# Altium PCB 1-quilter-input.PcbDoc (part 3 of 4) (continued)
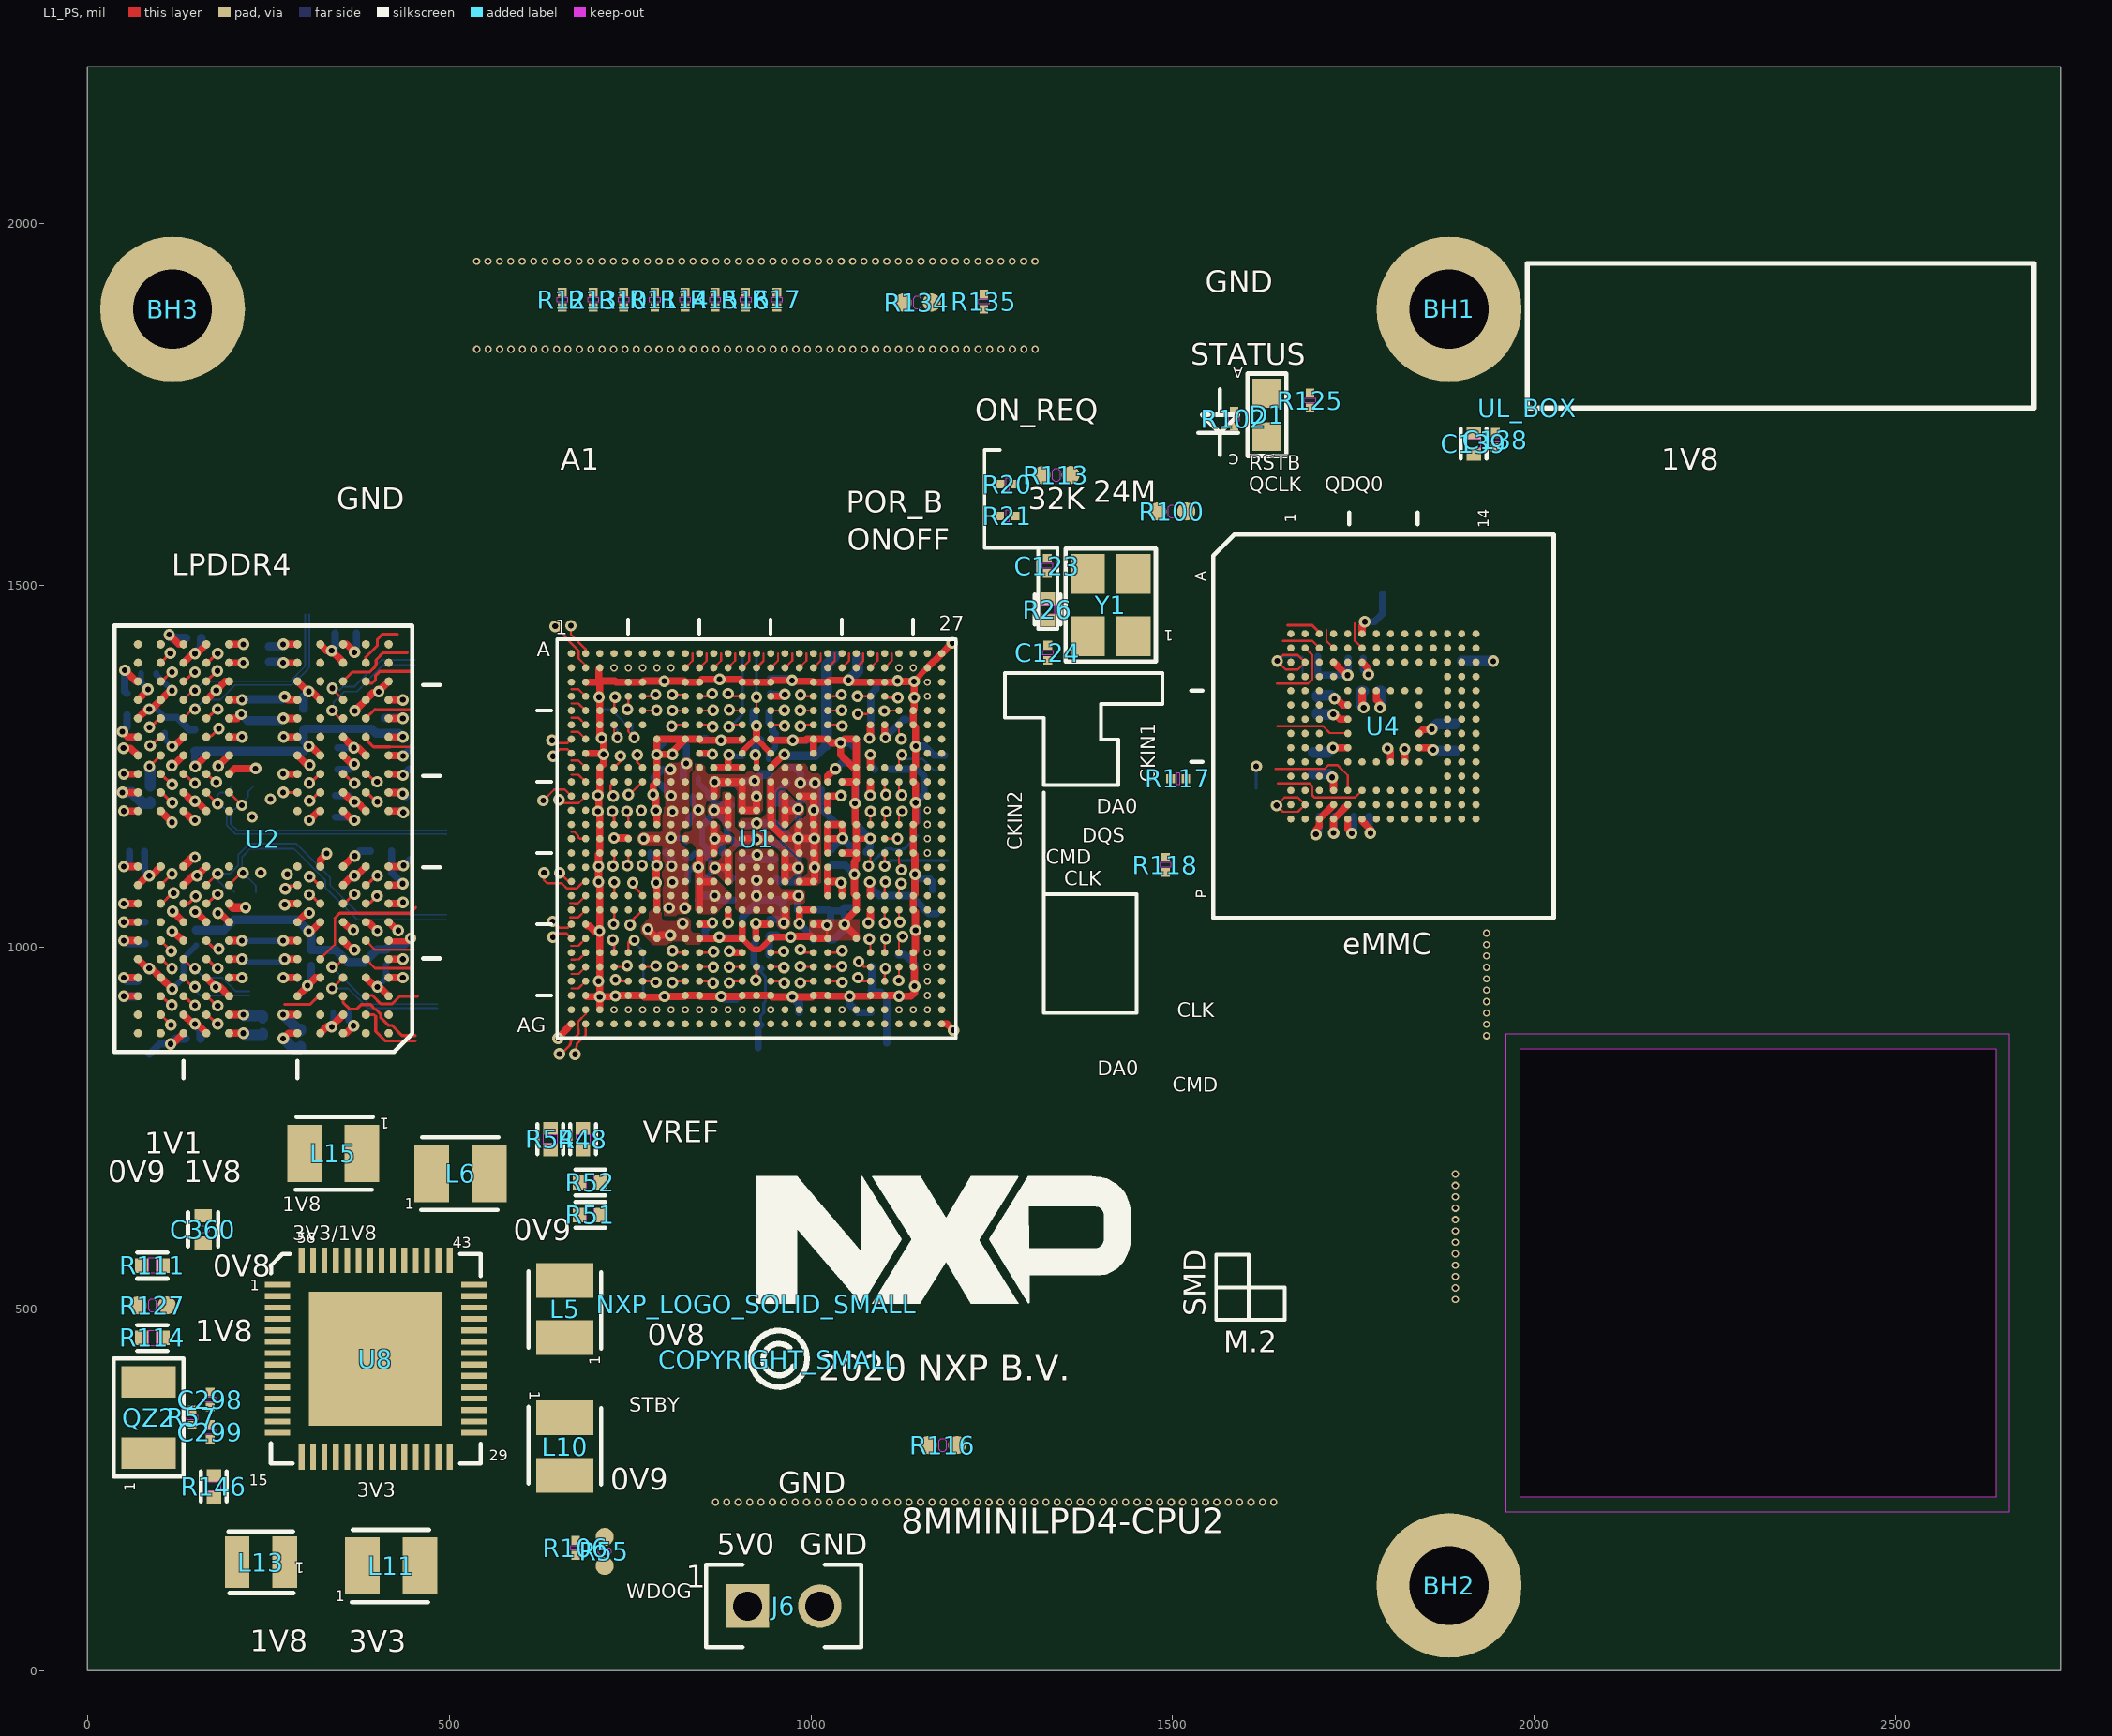
[diagram p0: L1_PS view]
## Nets (pads, with @x,y where several pads share a name; then routed paths per layer and width w, separated by ;. In a path a pad name is that pad's centre, name@x,y a point inside that pad or via, vN(x,y) a via of type N, cw(c..) or ccw(c..) an arc to the next point about the centre after c; other vN are vias at no path point) (continued)
  L8_SS w12: v1(50.41,932.38) C381.2@68.89,932.39 ; v3(113.36,1431.9) 117.99,1427.27 C114.2@136.51,1427.27 ; v3(115.25,866.3) 122.58,873.63 C380.2@135.68,873.63 ; v1(212.92,1321.9) 221.68,1313.14 C110.2@242.89,1313.14 267.79,1313.14 v1(270.89,1316.24) ; C378.2@251.62,1415.48 267.77,1415.48 v1(270.89,1418.6) ; C109.2@298.93,1329.75 298.93,1346.14 v3(306.19,1353.4) ; C384.2@411.64,1316.74 435.74,1316.74 v1(436.24,1316.24) ; v3(436.06,1212.06) v3@439.71,1208.41 ; v1(974.35,931.51) 983.76,922.1 C400.2@983.76,911.1
  L8_SS w15: v1(48.68,1213.88) 61.91,1213.88 77.39,1198.4 86.89,1198.4 R4.1@86.89,1201.39 ; v1(1052.24,1368.92) 1064.76,1381.44 C405.2@1064.76,1399.68 ; C130.2@1694.3,1268.95 1714.55,1268.95 v1(1721.33,1275.73) ; C128.2@1699.59,1324.38 1699.59,1321.39 1721.56,1321.39 v1(1721.96,1321.79) ; C129.2@1784.67,1354.01 1787.66,1354.01 1787.66,1332.34 v1(1786.48,1331.16) ; v1(1858.22,1301.57) 1865.35,1308.7 C127.2@1890,1308.7
  other v1: 822.89,1032.9
  other v2: 931.06,233.27 946.8,233.27 962.55,233.27 978.3,233.27 994.05,233.27 1009.8,233.27 1230.27,233.27 1324.76,233.27 1419.24,233.27 1513.73,233.27 1608.22,233.27 1890.63,544.88 1890.63,623.62 1933.49,909.2 1933.49,987.94 538.31,1826.55 585.56,1826.55 632.8,1826.55 680.05,1826.55 727.29,1826.55 774.53,1826.55 821.78,1826.55 869.02,1826.55 916.27,1826.55 963.51,1826.55 1010.75,1826.55 1058,1826.55 1105.24,1826.55 1152.49,1826.55 1215.48,1826.55 1294.22,1826.55 585.31,1947.75 679.8,1947.75 774.28,1947.75 868.77,1947.75 1057.75,1947.75 1152.24,1947.75 1246.72,1947.75
GPIO1_IO01: J5.64 U1.AF14
  other v2: 1356.25,233.27 924.89,913.68
GPIO1_IO05: J5.62 U1.AF12
  other v2: 1340.5,233.27 885.52,913.68
GPIO1_IO06: J5.58 U1.AG11
  other v2: 1309.01,233.27
GPIO1_IO07: J5.56 U1.AF11
  other v2: 1293.26,233.27 865.83,913.68
GPIO1_IO08: J5.54 U1.AG10
  other v2: 1277.51,233.27
GPIO1_IO09: J5.52 U1.AF10
  other v2: 1261.76,233.27 846.15,913.68
GPIO1_IO10: J5.50 U1.AD10 | length 19.7
  L1_PS w3: U1.AD10@846.15,953.05 862.35,953.05 v1(864.82,950.58)
  other v2: 1246.02,233.27
GPIO1_IO11: J5.46 U1.AC10 | length 19.4
  L1_PS w3: U1.AC10@846.15,972.74 864.88,972.74 v1(865.33,972.28)
  other v2: 1214.52,233.27
GPIO1_IO12: J5.44 U1.AB10 | length 20
  L1_PS w3: U1.AB10@846.15,992.42 863.94,992.42 v1(865.5,993.98)
  other v2: 1198.77,233.27
GPIO1_IO13: J5.42 U1.AD9 | length 18.7
  L1_PS w3: v1(808.5,951.18) 810.36,953.05 U1.AD9@826.47,953.05
  other v2: 1183.02,233.27
GPIO1_IO14: J5.40 U1.AC9 | length 18.4
  L1_PS w3: v1(808.37,973.5) 809.13,972.74 U1.AC9@826.47,972.74
  other v2: 1167.28,233.27
GPIO1_IO15: J5.38 U1.AB9 | length 18.9
  L1_PS w3: v1(808.77,995.22) 811.57,992.42 U1.AB9@826.47,992.42
  other v2: 1151.53,233.27
I2C1_SCL: R10.2 R48.1 U1.E9 | length 17.9
  L1_PS w3: v1(808.62,1327.06) U1.E9@826.47,1327.06
I2C1_SDA: R11.2 R54.1 U1.F9 | length 19.6
  L1_PS w3: v1(807.68,1305.38) 809.68,1307.38 U1.F9@826.47,1307.38
I2C2_SCL: J4.22 R12.2 U1.D10 | length 19
  L1_PS w3: U1.D10@846.15,1346.75 859.98,1346.75 v1(863.67,1350.44)
  other v2: 695.54,1947.75
I2C2_SDA: J4.24 R13.2 U1.D9 | length 19.1
  L1_PS w3: v1(808.41,1349.15) 824.07,1349.15 U1.D9@826.47,1346.75
  other v2: 711.29,1947.75
I2C3_SCL: J4.26 R14.2 U1.E10 | length 18.9
  L1_PS w3: U1.E10@846.15,1327.06 864.64,1327.06 v1(864.93,1327.36)
  other v2: 727.04,1947.75
I2C3_SDA: J4.28 R15.2 U1.F10 | length 19.3
  L1_PS w3: U1.F10@846.15,1307.38 861.61,1307.38 v1(864.35,1304.65)
  other v2: 742.79,1947.75
I2C4_SCL: J4.30 R16.2 U1.D13 | length 21
  L1_PS w3: v1(885.75,1350.42) 889.42,1346.75 U1.D13@905.21,1346.75
  other v2: 758.54,1947.75
I2C4_SDA: J4.34 R17.2 U1.E13 | length 18.3
  L1_PS w3: v1(887.28,1327.98) 888.2,1327.06 U1.E13@905.21,1327.06
  other v2: 790.03,1947.75
JTAG_MOD: R23.1 U1.D27
JTAG_NTRST: J4.60 U1.C27
  other v2: 994.76,1947.75
JTAG_TCK: J4.62 R18.1 U1.F26
  other v2: 1010.5,1947.75
JTAG_TDI: J4.54 U1.E27
  other v2: 947.51,1947.75
JTAG_TDO: J4.52 U1.E26
  other v2: 931.76,1947.75
JTAG_TMS: J4.58 U1.F27
  other v2: 979.01,1947.75
LX1: L5.1 U8.36 U8.37
LX2: L6.1 U8.45 U8.46
LX3: L10.1 U8.31 U8.32
LX4: L11.1 U8.19 U8.20
LX5: L13.1 U8.15
M.2_32K_OUT: J5.37 R116.2
NC1: U1.J18
NetC245_1: C245.1 U1.R22 | length 104.8
  L1_PS w3: v1(1079.64,1112.35) 1082.37,1115.08 U1.R22@1082.37,1130.22
  L8_SS w4.1: v1(1079.64,1112.35) 1103.14,1135.85 1112.66,1135.85 1113.66,1134.85 1126.14,1134.85 1127.2,1135.91 1129.39,1135.91 C245.1@1147.38,1153.9
NetC268_1: C268.1 U1.D15 | length 40.7
  L1_PS w10: U1.D15@944.57,1346.75 961.38,1346.75 v1(963.95,1349.32)
  L8_SS w10: C268.1@944.2,1350.57 945.45,1349.32 v1(963.95,1349.32)
NetD1_A: D1.A R125.2
NetD1_C: D1.C Q1.3
NetL15_1: L15.1 U8.50 U8.51
NetR7_2: R7.2 U1.P2 | length 25.1
  L1_PS w3: 668.98,1159.74 673.06,1159.74 678.82,1153.98 678.82,1151.65 680.58,1149.89 U1.P2@688.67,1149.9
NetR28_1: R28.1 U1.D19 | length 19.8
  L1_PS w3: U1.D19@1023.31,1346.75 1039.36,1346.75 1041.72,1349.11 v1(1042.09,1349.11)
NetR29_1: R29.1 U1.E19 | length 19.4
  L1_PS w3: U1.E19@1023.31,1327.06 1042.27,1327.06 v1(1042.59,1327.38)
NetR30_1: R30.1 U1.E22 | length 19.5
  L1_PS w3: v1(1064.78,1322.36) 1077.67,1322.36 U1.E22@1082.37,1327.06
NetR48_2: R48.2 U8.41
NetR51_2: R51.2 U8.39
NetR52_2: R52.2 U8.40
NetR54_2: R54.2 U8.42
NetR55_2: R55.2 R106.2 U8.28
NetR108_1: R108.1 U1.F22 | length 93.3
  L1_PS w10: v1(1080.89,1288.9) 1082.37,1290.38 U1.F22@1082.37,1307.38
  L8_SS w10: v1(1080.89,1288.9) 1082.89,1290.9 1082.89,1349.4 1089.89,1356.4 R108.1@1089.89,1359.39
NetR109_1: R109.1 U1.F23 | length 57.4
  L1_PS w10: U1.F23@1102.05,1307.38 1102.05,1290.4 v1(1102.9,1289.55)
  L8_SS w10: v1(1102.9,1289.55) 1102.9,1289.93 1127.87,1314.9 R109.1@1131.38,1314.9
NetR111_1: R111.1 U8.6
NetR114_1: R114.1 U8.9
NetR127_2: R127.2 U8.8
NetR146_2: R146.2 U8.12
NetTP15_1: U1.N2
NetTP18_1: U4.K5
NetTP54_1: U8.27
NetTP55_1: U8.26
NetTP56_1: U8.25
NetTP57_1: U8.24
NVCC_DRAM_1V1: C88.1 C89.1 C90.1 C91.1 C92.1 C93.1 C94.1 C95.1 C110.1 C111.1 C112.1 C113.1 C114.1 C115.1 C117.1 C118.1 C119.1 C324.1 C373.1 C374.1 C375.1 C376.1 C378.1 C379.1 C380.1 C381.1 C382.1 L15.2 R5.1 R6.1 U1.K8 U1.K9 U1.L9 U1.M9 U1.N8 U1.N9 U1.P7 U1.R8 U1.R9 U1.T9 U1.U9 U1.V8 U1.V9 U2.A4 U2.A9 U2.AA3 U2.AA5 U2.AA8 U2.AA10 U2.AB4 U2.AB9 U2.B3 U2.B5 U2.B8 U2.B10 U2.D1 U2.D5 U2.D8 U2.D12 U2.F3 U2.F5 U2.F8 U2.F10 U2.G2 U2.H1 U2.H5 U2.H8 U2.H12 U2.K1 U2.K3 U2.K10 U2.K12 U2.N1 U2.N3 U2.N10 U2.N12 U2.R1 U2.R5 U2.R8 U2.R12 U2.T2 U2.U3 U2.U5 U2.U8 U2.U10 U2.W1 U2.W5 U2.W8 U2.W12 U8.52 | length 1630.7
  L1_PS w10: v1(50.41,957.97) U2.D12@70.1,957.97 ; v1(50.41,1060.33) U2.H12@70.1,1060.33 ; v1(50.41,1111.51) U2.K12@70.1,1111.51 ; v1(50.41,1188.29) U2.N12@70.1,1188.29 ; v1(50.41,1239.47) U2.R12@70.1,1239.47 ; U2.W12@70.1,1341.83 84.04,1355.77 v1(84.04,1356.43) ; v1(117.34,1021.95) U2.F10@133.09,1009.15 ; v1(117.34,1277.85) 120.29,1277.85 U2.U10@133.09,1290.65 ; U2.B10@133.09,906.79 145.89,893.99 v1(148.84,893.99) 151.8,893.99 U2.A9@164.59,881.2 ; U2.N10@133.09,1188.29 145.89,1175.49 v1(148.84,1175.49) ; U2.AA10@133.09,1393.01 145.89,1405.81 v1(148.84,1405.81) 151.8,1405.81 U2.AB9@164.59,1418.6 ; U2.B8@196.09,906.79 v1(215.77,906.79) ; U2.D8@196.09,957.97 v1(213.84,957.97) ; U2.F8@196.09,1009.15 v1(213.84,1009.15) ; U2.R8@196.09,1239.47 203.52,1246.9 v1(232.65,1246.9) ; U2.U8@196.09,1290.65 v1(213.84,1290.65) ; U2.W8@196.09,1341.83 213.64,1341.83 v1(213.84,1342.03) ; U2.AA8@196.09,1393.01 v1(215.77,1393.01) ; v1(270.89,906.79) U2.B5@290.57,906.79 ; v1(270.89,957.97) U2.D5@290.57,957.97 ; v1(270.89,1009.15) U2.F5@290.57,1009.15 ; v1(270.89,1239.47) U2.R5@290.57,1239.47 ; v1(270.89,1393.01) U2.AA5@290.57,1393.01 ; v1(271.39,1290.65) U2.U5@290.57,1290.65 ; v1(272.81,1346) 276.98,1341.83 U2.W5@290.57,1341.83 ; v1(272.88,1058.86) 274.35,1060.33 U2.H5@290.57,1060.33 ; U2.A4@322.07,881.2 330.91,890.04 v1(337.94,890.04) 337.94,891.16 U2.B3@353.57,906.79 ; U2.AB4@322.07,1418.6 330.76,1409.91 v1(337.78,1409.91) 353.57,1394.12 U2.AA3@353.57,1393.01 ; U2.F3@353.57,1009.15 366.36,996.36 v1(369.31,996.36) ; U2.K3@353.57,1111.51 366.37,1124.31 368.06,1124.31 v1(369.83,1126.08) ; U2.N3@353.57,1188.29 366.37,1175.49 v1(369.31,1175.49) ; U2.U3@353.57,1290.65 v1(368.56,1275.66) 374.46,1275.66 U2.T2@385.06,1265.06 ; U2.G2@385.06,1034.74 388.61,1034.74 v1(400.81,1022.54) ; U2.D1@416.56,957.97 v1(436.24,957.97) ; U2.H1@416.56,1060.33 434.64,1060.33 v1(436.35,1062.04) ; U2.K1@416.56,1111.51 434.71,1111.51 436.14,1112.94 v1(437.04,1112.94) ; U2.N1@416.56,1188.29 434.71,1188.29 v1(436.83,1186.17) ; U2.R1@416.56,1239.47 434.64,1239.47 v1(436.35,1237.76) ; U2.W1@416.56,1341.83 v1(436.24,1341.83) ; v1(768.89,1149.9) U1.P7@787.09,1149.9
  L1_PS w12: U2.K10@133.09,1111.51 145.89,1124.31 v1(148.84,1124.31) ; U2.H8@196.09,1060.33 201.52,1054.9 v1(218.89,1054.9)
  L8_SS w8: C373.1@74.38,1378.9 74.38,1366.09 v1(84.04,1356.43) ; C375.1@107.2,1296.78 107.2,1287.99 v1(117.34,1277.85) ; v1(213.84,1009.15) 214.33,1008.66 C115.1@241.39,1008.66 270.4,1008.66 v1(270.89,1009.15) ; v1(337.94,890.04) 340.06,892.16 C379.1@340.06,909.56 ; v1(436.24,957.97) v1@438.94,960.67 ; v1(806.78,1151.05) 821.12,1151.05 C90.1@827.25,1144.92
  L8_SS w10: v1(50.41,1111.51) 58.45,1119.55 C374.1@58.45,1132.26 ; v1(337.78,1409.91) 342.47,1414.6 C112.1@342.47,1434.05 ; C111.1@343,1179.89 364.91,1179.89 v1(369.31,1175.49) ; C118.1@346.54,1275.44 368.34,1275.44 v1(368.56,1275.66) ; v1(369.83,1126.08) 376.65,1132.9 C117.1@391.13,1132.9 ; v1(436.35,1237.76) 444.73,1246.14 ; v1(437.04,1112.94) 445.07,1120.97 ; C93.1@799.22,1131.11 806.78,1123.55 806.78,1113.14 v1(807.54,1112.38) ; v1(805.89,1245.9) 794.91,1245.9 C89.1@783.01,1234 801.89,1215.12 801.89,1214.03 v1(806.78,1209.14) ; C94.1@820,1285 827.89,1277.11 v1(827.89,1253.9) 823.38,1249.39 C95.1@823.38,1233.61
  L8_SS w12: v1(50.41,957.97) 54.97,953.41 C381.1@68.89,953.41 ; v1(148.84,893.99) 156.7,886.13 C380.1@156.7,873.63 ; v1(148.84,1405.81) 157.53,1414.5 C114.1@157.53,1427.27 ; v1(213.84,1342.03) 214.47,1342.66 C110.1@242.89,1342.66 269.47,1342.66 v1(272.81,1346) ; C378.1@251.62,1394.46 269.44,1394.46 v1(270.89,1393.01) ; v1(436.83,1186.17) v1@438.05,1187.39
  L8_SS w15: v1(215.77,906.79) 217.33,905.23 242.62,905.23 R6.1@242.62,902.24 ; v1(270.89,906.79) 290.53,887.15 294.98,887.15 R5.1@294.98,884.16
  other v1: 804.18,1054.36 825.89,1053.9 808.62,1089.9 808.72,1187.34
NVCC_ENET: C2.1 C392.1 J7.19 U1.W22 | length 142
  L1_PS w10: v1(1079.41,1033.53) 1082.37,1036.49 U1.W22@1082.37,1051.48
  L8_SS w10: 1084.09,973.8 1084.09,940.26 C2.1@1083.09,939.26 1084.1,938.25 1096.4,938.25 1104.85,929.8 1104.85,867.57
NVCC_SD2: C17.1 C365.1 R119.1 R120.1 R133.1 U1.V22 U8.55 | length 133.3
  L1_PS w10: v1(1081.23,1090.09) 1082.37,1088.95 U1.V22@1082.37,1071.16
  L8_SS w10: v1(1081.23,1090.09) 1081.23,1084.16 1094.14,1071.25 1138.34,1071.25 1147.13,1062.46 1163.11,1046.48 R120.1@1173.57,1046.48
NVCC_SNVS_1V8: C333.1 C391.1 R20.1 R21.1 R102.1 U1.J22 U8.3 | length 40.7
  L1_PS w10: v1(1082.17,1266.18) 1082.37,1265.98 U1.J22@1082.37,1248.32
  L8_SS w10: v1(1082.17,1266.18) 1082.17,1252.28 C391.1@1088.43,1246.02
ONOFF: J4.46 R21.2 U1.A25
  other v2: 884.52,1947.75
PCIE_CLK_N: J4.75 U1.A21
  other v2: 1120.99,1826.55
PCIE_CLK_P: J4.77 U1.B21 | length 23.7
  L1_PS w3: U1.B21@1062.69,1386.12 1072.39,1395.82 1072.39,1405.81
  other v2: 1136.74,1826.55
PCIE_RX_N: J4.63 U1.A19
  other v2: 1026.5,1826.55
PCIE_RX_P: J4.65 U1.B19 | length 23.7
  L1_PS w3: U1.B19@1023.31,1386.12 1033.02,1395.82 1033.02,1405.81
  other v2: 1042.25,1826.55
PCIE_TX_N: J4.69 U1.A20
  other v2: 1073.75,1826.55
PCIE_TX_P: J4.71 U1.B20 | length 23.7
  L1_PS w3: U1.B20@1043,1386.12 1052.71,1395.82 1052.71,1405.81
  other v2: 1089.49,1826.55
PDM_CLK: J5.65 U1.AC15 | length 18.6
  L1_PS w3: U1.AC15@944.57,972.74 962.18,972.74 v1(962.88,972.04)
PDM_DATA0: J5.67 U1.AD18 | length 19.2
  L1_PS w3: v1(985.36,950.88) 987.53,953.05 U1.AD18@1003.63,953.05
PDM_DATA1: J5.69 U1.AC14 | length 18.5
  L1_PS w4: v1@924.89,954.26 U1.AC14@924.89,972.74
  other v1: 924,954.26
PDM_DATA2: J5.71 U1.AD13 | length 18.8
  L1_PS w3: v1(887.32,950.87) 889.5,953.05 U1.AD13@905.21,953.05
PDM_DATA3: J5.73 U1.AC13 | length 17.9
  L1_PS w3: v1(887.35,972.58) 887.5,972.74 U1.AC13@905.21,972.74
PMIC_NINT: U1.AF13 U8.13
  other v2: 905.21,913.68
PMIC_ON_REQ: J4.48 R51.1 U1.A24
  other v2: 900.27,1947.75
PMIC_STBY_REQ: R52.1 U1.E24 | length 20.4
  L1_PS w3: v1(1101.58,1326.51) 1102.13,1327.06 U1.E24@1121.74,1327.06
POR_B: J4.50 R20.2 R114.2 U1.B24
  other v2: 1121.74,1386.12 916.02,1947.75
QSPIA_DATA0: U1.P23 U5.5 | length 17.9
  L1_PS w3: U1.P23@1102.05,1149.9 v1(1119.9,1149.9)
QSPIA_DATA1: U1.K24 U5.2 | length 20
  L1_PS w3: U1.K24@1121.74,1228.64 1121.74,1213.9 v1(1125.48,1210.16)
QSPIA_DATA2: U1.K23 U5.3 | length 18.5
  L1_PS w3: U1.K23@1102.05,1228.64 1102.05,1212.48 v1(1103.67,1210.86)
QSPIA_DATA3: U1.N23 U5.7 | length 18.6
  L1_PS w3: U1.N23@1102.05,1169.58 1102.05,1185.11 v1(1104.24,1187.3)
QSPIA_NSS0: R37.2 U1.N24 U5.1 | length 20
  L1_PS w3: U1.N24@1121.74,1169.58 1121.74,1183.63 v1(1125.97,1187.86)
QSPIA_SCLK: U1.N22 U5.6 | length 17.9
  L1_PS w3: U1.N22@1082.37,1169.58 v1(1082.37,1187.47)
R_SNSP1: R142.2 R143.1 U8.38
R_SNSP2: R140.2 R141.1 U8.44
R_SNSP3_CFG: R144.2 R145.1 U8.30
REF_CLK_32K: R116.1 U1.AG14
RTC_RESET_B: R102.2 R111.2 U1.F24 | length 20.8
  L1_PS w3: U1.F24@1121.74,1307.38 1121.74,1291 v1(1124.88,1287.85)
SAI1_MCLK: J5.98 U1.AB18 | length 19.8
  L1_PS w3: v1(985.65,996.85) 990.08,992.42 U1.AB18@1003.63,992.42
  other v2: 1623.97,233.27
SAI1_RXC: J5.76 U1.AF16
  other v2: 1450.74,233.27
SAI1_RXD0: J5.78 U1.AG15
  other v2: 1466.49,233.27
SAI1_RXD1: J5.80 R76.1 U1.AF15
  other v2: 1482.24,233.27 944.57,913.68
SAI1_RXD2: J5.82 R75.1 U1.AG17
  other v2: 1497.98,233.27
SAI1_RXD3: J5.86 U1.AF17
  other v2: 1529.48,233.27
SAI1_RXD4: J5.88 U1.AG18
  other v2: 1545.23,233.27
SAI1_RXD5: J5.90 R72.1 U1.AF18
  other v2: 1560.98,233.27
SAI1_RXD6: J5.92 R71.1 U1.AG19
  other v2: 1576.72,233.27
SAI1_RXD7: J5.94 U1.AF19
  other v2: 1592.47,233.27
SAI1_RXFS: J5.74 U1.AG16
  other v2: 1434.99,233.27
SAI1_TXC: J5.81 U1.AC18 | length 18.6
  L1_PS w3: v1(985.28,973.38) 985.92,972.74 U1.AC18@1003.63,972.74
SAI1_TXD0: J5.83 U1.AG20
SAI1_TXD1: J5.85 U1.AF20
  other v2: 1043,913.68
SAI1_TXD2: J5.87 U1.AG21
SAI1_TXD3: J5.91 R97.1 U1.AF21
SAI1_TXD4: J5.93 U1.AG22
SAI1_TXD5: J5.95 R95.1 U1.AF22
SAI1_TXD6: J5.97 U1.AG23
SAI1_TXD7: J5.99 U1.AF23
SAI1_TXFS: J5.100 U1.AB19 | length 20.8
  L1_PS w3: U1.AB19@1023.31,992.42 1040.32,992.42 v1(1043.02,995.12)
  other v2: 1639.72,233.27
SAI2_MCLK: J5.66 U1.AD19 | length 20.5
  L1_PS w3: U1.AD19@1023.31,953.05 1039.04,953.05 1040.57,951.52 v1(1043.2,951.52)
  other v2: 1372,233.27
SAI2_RXC: J5.79 U1.AB22 | length 19.4
  L1_PS w3: v1(1080.86,1011.21) 1082.37,1009.7 U1.AB22@1082.37,992.42
SAI2_RXD: J8.23 U1.AC24 | length 18.8
  L1_PS w3: v1(1121.54,954.02) 1121.74,954.22 U1.AC24@1121.74,972.74
  other v2: 1890.63,513.39
SAI2_RXFS: J5.68 U1.AC19 | length 19.7
  L1_PS w3: U1.AC19@1023.31,972.74 1042.01,972.74 v1(1042.69,973.42)
  other v2: 1387.75,233.27
SAI2_TXC: J8.21 U1.AD22 | length 19.2
  L1_PS w3: v1(1065.2,957.93) 1070.08,953.05 U1.AD22@1082.37,953.05
  other v2: 1890.63,529.13
SAI2_TXD: J8.17 U1.AC22 | length 19.3
  L1_PS w3: v1(1066.04,979.95) 1073.25,972.74 U1.AC22@1082.37,972.74
  other v2: 1890.63,560.63
SAI2_TXFS: J8.15 U1.AD23 | length 17.8
  L1_PS w3: U1.AD23@1102.05,953.05 1102.05,966.16 1102.89,967 v1(1102.89,970.5)
  other v2: 1890.63,576.38
SAI3_MCLK: J5.41 U1.AD6 | length 18.9
  L1_PS w3: U1.AD6@767.41,953.05 782.06,953.05 783.59,951.52 v1(785.71,951.52)
SAI3_RXC: J5.53 U1.AG7
SAI3_RXD: J5.55 U1.AF7
  other v2: 787.09,913.68
SAI3_RXFS: J5.51 U1.AG8
SAI3_TXC: J5.45 U1.AG6
SAI3_TXD: J5.49 U1.AF6
  other v2: 767.41,913.68
SAI3_TXFS: J5.43 U1.AC6 | length 19.1
  L1_PS w3: U1.AC6@767.41,972.74 784.56,972.74 v1(785.96,974.14)
SAI5_MCLK: J5.77 U1.AD15 | length 19.8
  L1_PS w3: U1.AD15@944.57,953.05 960.29,953.05 963.01,950.33 v1(963.23,950.33)
SAI5_RXFS: J5.70 U1.AB15 | length 18.6
  L1_PS w3: U1.AB15@944.57,992.42 960.78,992.42 v1@962.08,993.72
  L1_PS w3.3: v1@962.08,993.72 v1(962.49,994.13)
  other v2: 1403.5,233.27
SD1_CLK: J8.22 U1.V26
SD1_CMD: J8.18 U1.V27
SD1_DATA0: J8.8 U1.Y27
SD1_DATA1: J8.12 U1.Y26
SD1_DATA2: J8.14 U1.T27
SD1_DATA3: J8.16 U1.T26
SD1_STROBE: J4.70 U1.R24 | length 19.1
  L1_PS w3: U1.R24@1121.74,1130.22 1121.74,1115.99 v1@1125.18,1112.55
  other v1: 1125.18,1106.95
  other v2: 1073.5,1947.75
SD2_CLK: J4.76 U1.W23 | length 18.2
  L1_PS w3: v1@1102.05,1033.32 U1.W23@1102.05,1051.48
  other v1: 1102.06,1033.31
  other v2: 1120.74,1947.75
SD2_CMD: J4.78 R120.2 U1.W24 | length 17.5
  L1_PS w3: U1.W24@1121.74,1051.48 1121.74,1035.81 v1(1123.03,1034.52)
  other v2: 1136.49,1947.75
SD2_DATA0: J4.84 R119.2 U1.AB23 | length 19.9
  L1_PS w3: U1.AB23@1102.05,992.42 1102.05,1010.06 v1(1103.65,1011.66)
  other v2: 1183.73,1947.75
SD2_DATA1: J4.82 U1.AB24 | length 24.3
  L1_PS w3: U1.AB24@1121.74,992.42 1121.74,1009.72 v1(1126.66,1014.64)
  other v2: 1167.98,1947.75
SD2_DATA2: J4.72 U1.V24 | length 19.8
  L1_PS w3: U1.V24@1121.74,1071.16 1121.74,1086.83 v1@1124.69,1089.78
  other v1: 1124.64,1087.96
  other v2: 1089.24,1947.75
SD2_DATA3: J4.74 U1.V23 | length 19.4
  L1_PS w3: U1.V23@1102.05,1071.16 1102.05,1089.3 v1(1102.93,1090.18)
  other v2: 1104.99,1947.75
SD2_NCD: J4.88 U1.AA26
  other v2: 1215.23,1947.75
SD2_NRST: J4.90 R133.2 U1.AB26
  other v2: 1161.11,992.42 1230.98,1947.75
SD2_VSEL: U1.AG12 U8.29
SD2_WP: J4.86 U1.AA27
  other v2: 1199.48,1947.75
SD3_CLK: U1.R26 U4.M6 | length 136
  L1_PS w3: 1645.38,1226.38 1689,1226.38 1692.9,1222.48 1692.9,1209.76 1695.9,1206.76 1751.73,1206.76 U4.M6@1761.65,1216.68
  other v2: 1161.11,1130.22
SD3_CMD: R118.2 U1.R27 U4.M5 | length 128.5
  L1_PS w3: 1642.36,1246.35 1710.01,1246.35 1715.48,1251.82 1727.47,1251.82 1741.97,1237.32 U4.M5@1741.97,1216.68
SD3_DATA0: R117.2 U1.M26 U4.A3 | length 49.7
  L1_PS w4.1: 1658.95,1444.87 1692.98,1444.87 1702.6,1435.25 U4.A3@1702.6,1433.21
  other v2: 1161.11,1189.27
SD3_DATA1: U1.L26 U4.A4
SD3_DATA2: U1.K26 U4.A5
SD3_DATA3: U1.N26 U4.B2 | length 98.9
  L1_PS w3: 1643.75,1364.25 1686.76,1364.25 1692.86,1370.35 1692.86,1403.58 U4.B2@1682.91,1413.53
  other v2: 1161.11,1169.58
SD3_DATA4: U1.N27 U4.B3 | length 54.6
  L1_PS w3: 1652.17,1423.49 1692.64,1423.49 U4.B3@1702.6,1413.53
SD3_DATA5: U1.M27 U4.B4 | length 29
  L1_PS w3: 1712.51,1438.53 1712.51,1423.3 U4.B4@1722.28,1413.53
SD3_DATA6: U1.L27 U4.B5
SD3_DATA7: U1.K27 U4.B6 | length 37.8
  L1_PS w3: 1751.73,1447.19 1751.73,1423.45 U4.B6@1761.65,1413.53
SD3_STROBE: U1.P27 U4.H5 | length 101.1
  L1_PS w3: 1644.96,1305.4 1707.6,1305.4 1717,1296 1741.39,1296 U4.H5@1741.97,1295.42
SPDIF_EXT_CLK: J5.63 U1.AF8
  other v2: 806.78,913.68
SPDIF_RX: J5.59 U1.AG9
SPDIF_TX: J5.57 U1.AF9
  other v2: 826.47,913.68
SWOUT_3V3: C410.1 U8.23
SYS_NRST: J5.39 R127.1
SYS_STATUS: Q1.1 U1.P26 | length 30.5
  L8_SS w4.1: Q1.1@1615.47,1219.5 v1(1615.47,1250)
  other v2: 1161.11,1149.9
TEST_MODE: J4.56 R134.2
  other v2: 963.26,1947.75
TESTMODE: R134.1 R135.1 U1.D26
  other v2: 1161.11,1346.75
TS_RES_EXT: R103.1 U1.J24 | length 87
  L1_PS w3: U1.J24@1121.74,1248.32 1121.74,1262.01 v1(1125.7,1265.97)
  L8_SS w3: v1(1125.7,1265.97) 1131.77,1259.9 1154.89,1259.9 1170.4,1244.39 R103.1@1184.52,1244.39
TS_TEST_OUT: U1.J23
UART1_CTS: J8.5 U1.E18 | length 18.4
  L1_PS w3: v1(985.28,1327.22) 985.43,1327.06 U1.E18@1003.63,1327.06
  other v2: 1890.63,655.12
UART1_RTS: J8.13 U1.D18 | length 18.9
  L1_PS w3: v1(985.67,1348.92) 987.83,1346.75 U1.D18@1003.63,1346.75
  other v2: 1890.63,592.13
UART1_RXD: J8.11 U1.E14 | length 72.6
  L1_PS w3: U1.E14@924.89,1327.06 v1(924.89,1345.62)
  L8_SS w4.1: v1(924.89,1345.62) 924.89,1399.68
  other v2: 1890.63,607.87
UART1_TXD: J8.7 U1.F13 | length 123.3
  L1_PS w3: v1(886.83,1304.74) 889.47,1307.38 U1.F13@905.21,1307.38
  L8_SS w4.1: v1(886.83,1304.74) 888.95,1304.74 905.31,1321.1 905.31,1399.68
  other v2: 1890.63,639.37
UART2_RXD: J4.36 U1.F15 | length 19.8
  L1_PS w3: U1.F15@944.57,1307.38 962.29,1307.38 v1(963.76,1305.91)
  other v2: 805.78,1947.75
UART2_TXD: J4.38 U1.E15 | length 19.2
  L1_PS w3: U1.E15@944.57,1327.06 963.02,1327.06 v1(963.58,1327.62)
  other v2: 821.53,1947.75
UART3_CTS: J4.10 U1.A7
  other v2: 601.06,1947.75
UART3_RTS: J4.2 U1.B6
  other v2: 767.41,1386.12 538.06,1947.75
UART3_RXD: J4.4 U1.D6 | length 19.2
  L1_PS w3: U1.D6@767.41,1346.75 783.23,1346.75 v1(785.61,1349.13)
  other v2: 553.81,1947.75
UART3_TXD: J4.6 U1.B7
  other v2: 787.09,1386.12 569.56,1947.75
UART4_RXD: J4.40 U1.F19 | length 20.4
  L1_PS w3: U1.F19@1023.31,1307.38 1041.28,1307.38 v1(1043,1305.66)
  other v2: 837.28,1947.75
UART4_TXD: J4.42 U1.F18 | length 18.9
  L1_PS w3: v1(985.59,1305.39) 987.58,1307.38 U1.F18@1003.63,1307.38
  other v2: 853.02,1947.75
USB1_DN: J4.83 U1.A22
  other v2: 1183.98,1826.55
USB1_DP: J4.85 U1.B22 | length 23.8
  L1_PS w3: U1.B22@1082.37,1386.12 1092.36,1396.11 1092.36,1405.81
  other v2: 1199.73,1826.55
USB1_ID: J4.89 U1.D22 | length 18.1
  L1_PS w3: v1(1064.23,1346.75) U1.D22@1082.37,1346.75
  other v2: 1231.23,1826.55
USB1_VBUS: C393.1 J4.81 R108.2
  other v2: 1168.23,1826.55
USB2_DN: J4.93 U1.A23
  other v2: 1262.72,1826.55
USB2_DP: J4.95 U1.B23 | length 23.8
  L1_PS w3: U1.B23@1102.06,1386.12 1111.97,1396.03 1111.97,1405.81
  other v2: 1278.47,1826.55
USB2_ID: J4.99 U1.D23 | length 19
  L1_PS w3: U1.D23@1102.05,1346.75 1103.77,1345.03 v1(1120.31,1345.03)
  other v2: 1309.97,1826.55
USB2_VBUS: C394.1 J4.91 R109.2
  other v2: 1246.97,1826.55

## Text inside footprints (layer, text, board x,y; h text height)
J5: Board Layer Stack Bottom Overlay "2" at 847.23,208.9 h20 r180; Board Layer Stack Bottom Overlay "100" at 1644.42,208.06 h20 r180; Board Layer Stack Bottom Overlay "99" at 1648.8,393.9 h20 r180; Board Layer Stack Bottom Overlay "1" at 851.51,393.9 h20 r180; Bottom Assembly "1" at 851.51,393.9 h20 r180; Bottom Assembly "2" at 847.23,208.9 h20 r180; Bottom Assembly "100" at 1644.59,208.19 h20 r180; Bottom Assembly "99" at 1648.8,393.9 h20 r180; Bottom Pin Number "85" at 1537.48,354.53 h10; Bottom Pin Number "74" at 1442.99,233.27 h10; Bottom Pin Number "88" at 1553.23,233.27 h10; Bottom Pin Number "93" at 1600.47,354.53 h10; Bottom Pin Number "100" at 1651.72,233.27 h10; Bottom Pin Number "33" at 1128.03,354.53 h10; Bottom Pin Number "31" at 1112.28,354.53 h10; Bottom Pin Number "29" at 1096.54,354.53 h10; Bottom Pin Number "27" at 1080.79,354.53 h10; Bottom Pin Number "25" at 1065.04,354.53 h10; Bottom Pin Number "23" at 1049.29,354.53 h10; Bottom Pin Number "21" at 1033.54,354.53 h10; Bottom Pin Number "35" at 1143.78,354.53 h10; Bottom Pin Number "65" at 1380,354.53 h10; Bottom Pin Number "69" at 1411.5,354.53 h10; Bottom Pin Number "73" at 1442.99,354.53 h10; Bottom Pin Number "71" at 1427.24,354.53 h10; Bottom Pin Number "70" at 1411.5,233.27 h10; Bottom Pin Number "77" at 1474.49,354.53 h10; Bottom Pin Number "45" at 1222.52,354.53 h10; Bottom Pin Number "34" at 1128.03,233.27 h10; Bottom Pin Number "32" at 1112.28,233.27 h10; Bottom Pin Number "30" at 1096.54,233.27 h10; Bottom Pin Number "28" at 1080.79,233.27 h10; Bottom Pin Number "26" at 1065.04,233.27 h10; Bottom Pin Number "24" at 1049.29,233.27 h10; Bottom Pin Number "22" at 1033.54,233.27 h10; Bottom Pin Number "36" at 1143.78,233.27 h10; Bottom Pin Number "39" at 1175.28,354.53 h10; Bottom Pin Number "7" at 919.31,354.53 h10; Bottom Pin Number "5" at 903.56,354.53 h10; Bottom Pin Number "3" at 887.81,354.53 h10; Bottom Pin Number "1" at 872.06,354.53 h10; Bottom Pin Number "2" at 872.06,233.27 h10; Bottom Pin Number "4" at 887.81,233.27 h10; Bottom Pin Number "6" at 903.56,233.27 h10; Bottom Pin Number "8" at 919.31,233.27 h10; Bottom Pin Number "98" at 1631.97,233.27 h10; Bottom Pin Number "97" at 1631.97,354.53 h10; Bottom Pin Number "37" at 1159.53,354.53 h10; Bottom Pin Number "12" at 954.8,233.27 h10; Bottom Pin Number "10" at 939.06,233.27 h10; Bottom Pin Number "20" at 1017.8,233.27 h10; Bottom Pin Number "18" at 1002.05,233.27 h10; Bottom Pin Number "16" at 986.3,233.27 h10; Bottom Pin Number "14" at 970.55,233.27 h10; Bottom Pin Number "48" at 1238.27,233.27 h10; Bottom Pin Number "47" at 1238.27,354.53 h10; Bottom Pin Number "72" at 1427.24,233.27 h10; Bottom Pin Number "60" at 1332.76,233.27 h10; Bottom Pin Number "75" at 1458.74,354.53 h10; Bottom Pin Number "61" at 1348.5,354.53 h10; Bottom Pin Number "96" at 1616.22,233.27 h10; Bottom Pin Number "84" at 1521.73,233.27 h10; Bottom Pin Number "89" at 1568.98,354.53 h10; Bottom Pin Number "13" at 970.55,354.53 h10; Bottom Pin Number "15" at 986.3,354.53 h10; Bottom Pin Number "17" at 1002.05,354.53 h10; Bottom Pin Number "19" at 1017.8,354.53 h10; Bottom Pin Number "9" at 935.06,354.53 h10; Bottom Pin Number "11" at 954.8,354.53 h10; Bottom Pin Number "42" at 1191.02,233.27 h10; Bottom Pin Number "55" at 1301.26,354.53 h10; Bottom Pin Number "79" at 1490.24,354.53 h10; Bottom Pin Number "63" at 1364.25,354.53 h10; Bottom Pin Number "40" at 1175.28,233.27 h10; Bottom Pin Number "53" at 1285.51,354.53 h10; Bottom Pin Number "51" at 1269.76,354.53 h10; Bottom Pin Number "66" at 1380,233.27 h10; Bottom Pin Number "46" at 1222.52,233.27 h10; Bottom Pin Number "59" at 1332.76,354.53 h10; Bottom Pin Number "38" at 1159.53,233.27 h10; Bottom Pin Number "57" at 1317.01,354.53 h10; Bottom Pin Number "44" at 1206.77,233.27 h10; Bottom Pin Number "58" at 1317.01,233.27 h10; Bottom Pin Number "83" at 1521.73,354.53 h10; Bottom Pin Number "56" at 1301.26,233.27 h10; Bottom Pin Number "95" at 1616.22,354.53 h10; Bottom Pin Number "50" at 1254.02,233.27 h10; Bottom Pin Number "49" at 1254.02,354.53 h10; Bottom Pin Number "67" at 1395.75,354.53 h10; Bottom Pin Number "54" at 1285.51,233.27 h10; Bottom Pin Number "43" at 1206.77,354.53 h10; Bottom Pin Number "94" at 1600.47,233.27 h10; Bottom Pin Number "52" at 1269.76,233.27 h10; Bottom Pin Number "41" at 1191.02,354.53 h10; Bottom Pin Number "91" at 1584.72,354.53 h10; Bottom Pin Number "64" at 1364.25,233.27 h10; Bottom Pin Number "81" at 1505.98,354.53 h10; Bottom Pin Number "62" at 1348.5,233.27 h10; Bottom Pin Number "82" at 1505.98,233.27 h10; Bottom Pin Number "92" at 1584.72,233.27 h10; Bottom Pin Number "78" at 1474.49,233.27 h10; Bottom Pin Number "68" at 1395.75,233.27 h10; Bottom Pin Number "87" at 1553.23,354.53 h10; Bottom Pin Number "80" at 1490.24,233.27 h10; Bottom Pin Number "99" at 1647.72,354.53 h10; Bottom Pin Number "86" at 1537.48,233.27 h10; Bottom Pin Number "90" at 1568.98,233.27 h10; Bottom Pin Number "76" at 1458.74,233.27 h10
J6: Bottom Designator "1" at 913.42,89.57 h10 r90; Bottom Designator "2" at 1012.42,89.57 h10 r90; Bottom Component Outline "1" at 904.42,84.57 h20; Board Layer Stack Bottom Overlay "1" at 868.4,47 h31; Top Overlay "1" at 827.6,115 h31
J7: Board Layer Stack Bottom Overlay "1" at 1785.48,858.57 h20 r180; Board Layer Stack Bottom Overlay "19" at 1764.34,1063.57 h20 r180; Board Layer Stack Bottom Overlay "20" at 1955,1065 h20 r180; Board Layer Stack Bottom Overlay "2" at 1956.19,853.57 h20 r180; Bottom Assembly "1" at 1820.23,872.7 h20 r270; Bottom Assembly "19" at 1817.86,1013.57 h20 r270; Bottom Assembly "20" at 1952.86,1013.57 h20 r270; Bottom Assembly "2" at 1952.86,868.57 h20 r270; Bottom Pin Number "5" at 1813.23,917.2 h10 r180; Bottom Pin Number "11" at 1813.23,964.44 h10 r180; Bottom Pin Number "13" at 1813.23,980.19 h10 r180; Bottom Pin Number "15" at 1813.23,995.94 h10 r180; Bottom Pin Number "4" at 1922.13,897.02 h10 r180; Bottom Pin Number "10" at 1915.27,947.7 h10 r180; Bottom Pin Number "12" at 1915.27,963.44 h10 r180; Bottom Pin Number "14" at 1914.8,979.42 h10 r180; Bottom Pin Number "1" at 1813.23,885.7 h10 r180; Bottom Pin Number "2" at 1922.61,881.03 h10 r180; Bottom Pin Number "18" at 1915.27,1010.69 h10 r180; Bottom Pin Number "16" at 1915.75,994.7 h10 r180; Bottom Pin Number "17" at 1813.23,1011.69 h10 r180; Bottom Pin Number "7" at 1813.23,932.95 h10 r180; Bottom Pin Number "3" at 1813.23,901.45 h10 r180; Bottom Pin Number "6" at 1923.08,912.29 h10 r180; Bottom Pin Number "19" at 1813.23,1027.44 h10 r180; Bottom Pin Number "9" at 1813.23,948.7 h10 r180; Bottom Pin Number "8" at 1922.61,928.28 h10 r180; Bottom Pin Number "20" at 1913.7,1027.22 h10 r180
J8: Board Layer Stack Bottom Overlay "1" at 1930,679 h31; Board Layer Stack Bottom Overlay "23" at 1960,490 h31; Board Layer Stack Bottom Overlay "24" at 1750,495 h31; Board Layer Stack Bottom Overlay "2" at 1740,677 h31; Bottom Assembly "1" at 1880,695 h20 r90; Bottom Assembly "23" at 1880,515 h20 r90; Bottom Assembly "24" at 1795,515 h20 r90; Bottom Assembly "2" at 1795,700 h20 r90; Bottom Pin Number "9" at 1886.41,616.72 h10; Bottom Pin Number "19" at 1886.41,541.64 h10; Bottom Pin Number "10" at 1784.37,620.62 h10; Bottom Pin Number "20" at 1785.15,542.67 h10; Bottom Pin Number "24" at 1785.39,511.41 h10; Bottom Pin Number "7" at 1886.41,632.7 h10; Bottom Pin Number "4" at 1776.94,664.44 h10; Bottom Pin Number "8" at 1776.7,632.7 h10; Bottom Pin Number "16" at 1784.13,573.14 h10; Bottom Pin Number "2" at 1776.7,679.94 h10; Bottom Pin Number "22" at 1785.15,526.92 h10; Bottom Pin Number "23" at 1886.41,511.18 h10; Bottom Pin Number "5" at 1886.41,648.45 h10; Bottom Pin Number "18" at 1784.37,557.63 h10; Bottom Pin Number "14" at 1784.61,589.37 h10; Bottom Pin Number "12" at 1784.37,604.87 h10; Bottom Pin Number "21" at 1886.41,524.77 h10; Bottom Pin Number "3" at 1886.41,664.2 h10; Bottom Pin Number "13" at 1886.41,589.13 h10; Bottom Pin Number "17" at 1886.41,557.63 h10; Bottom Pin Number "15" at 1886.41,573.38 h10; Bottom Pin Number "6" at 1776.47,648.22 h10; Bottom Pin Number "1" at 1886.41,677.8 h10; Bottom Pin Number "11" at 1886.41,602.73 h10
L5: Top Overlay "1" at 709.06,422.9 h15 r90
L6: Top Overlay "1" at 438.87,638.37 h15
L10: Top Overlay "1" at 610.94,387.1 h15 r270
L11: Top Overlay "1" at 342.9,95.94 h15
L13: Top Overlay "1" at 299.87,150 h15 r180
L15: Top Overlay "1" at 417.1,764.06 h15 r180
NXP_LOGO_SOLID_SMALL: Top Value "NXP Solid Small" at 938,704 h31
Q1: Board Layer Stack Bottom Overlay "3" at 1509.3,1203.69 h15 r90; Board Layer Stack Bottom Overlay "1" at 1659.38,1255.22 h15 r90; Board Layer Stack Bottom Overlay "2" at 1661.37,1140.11 h15 r90
QZ2: Top Overlay "1" at 66.26,247.63 h15 r90